# Altium PCB Farm_Pump.PcbDoc
Units mm, origin at the board's own origin, x right, y up, seen from the top; angles counter-clockwise.
Board outline 346.58 x 213.36 mm, 4 copper layers (Top Layer, Mid Layer 1, Mid Layer 2, Bottom Layer), stack 1.57 mm thick; 152 components, 91 nets, 556 pads, 0 vias.
Unrouted connection lines stored in the file: 325.
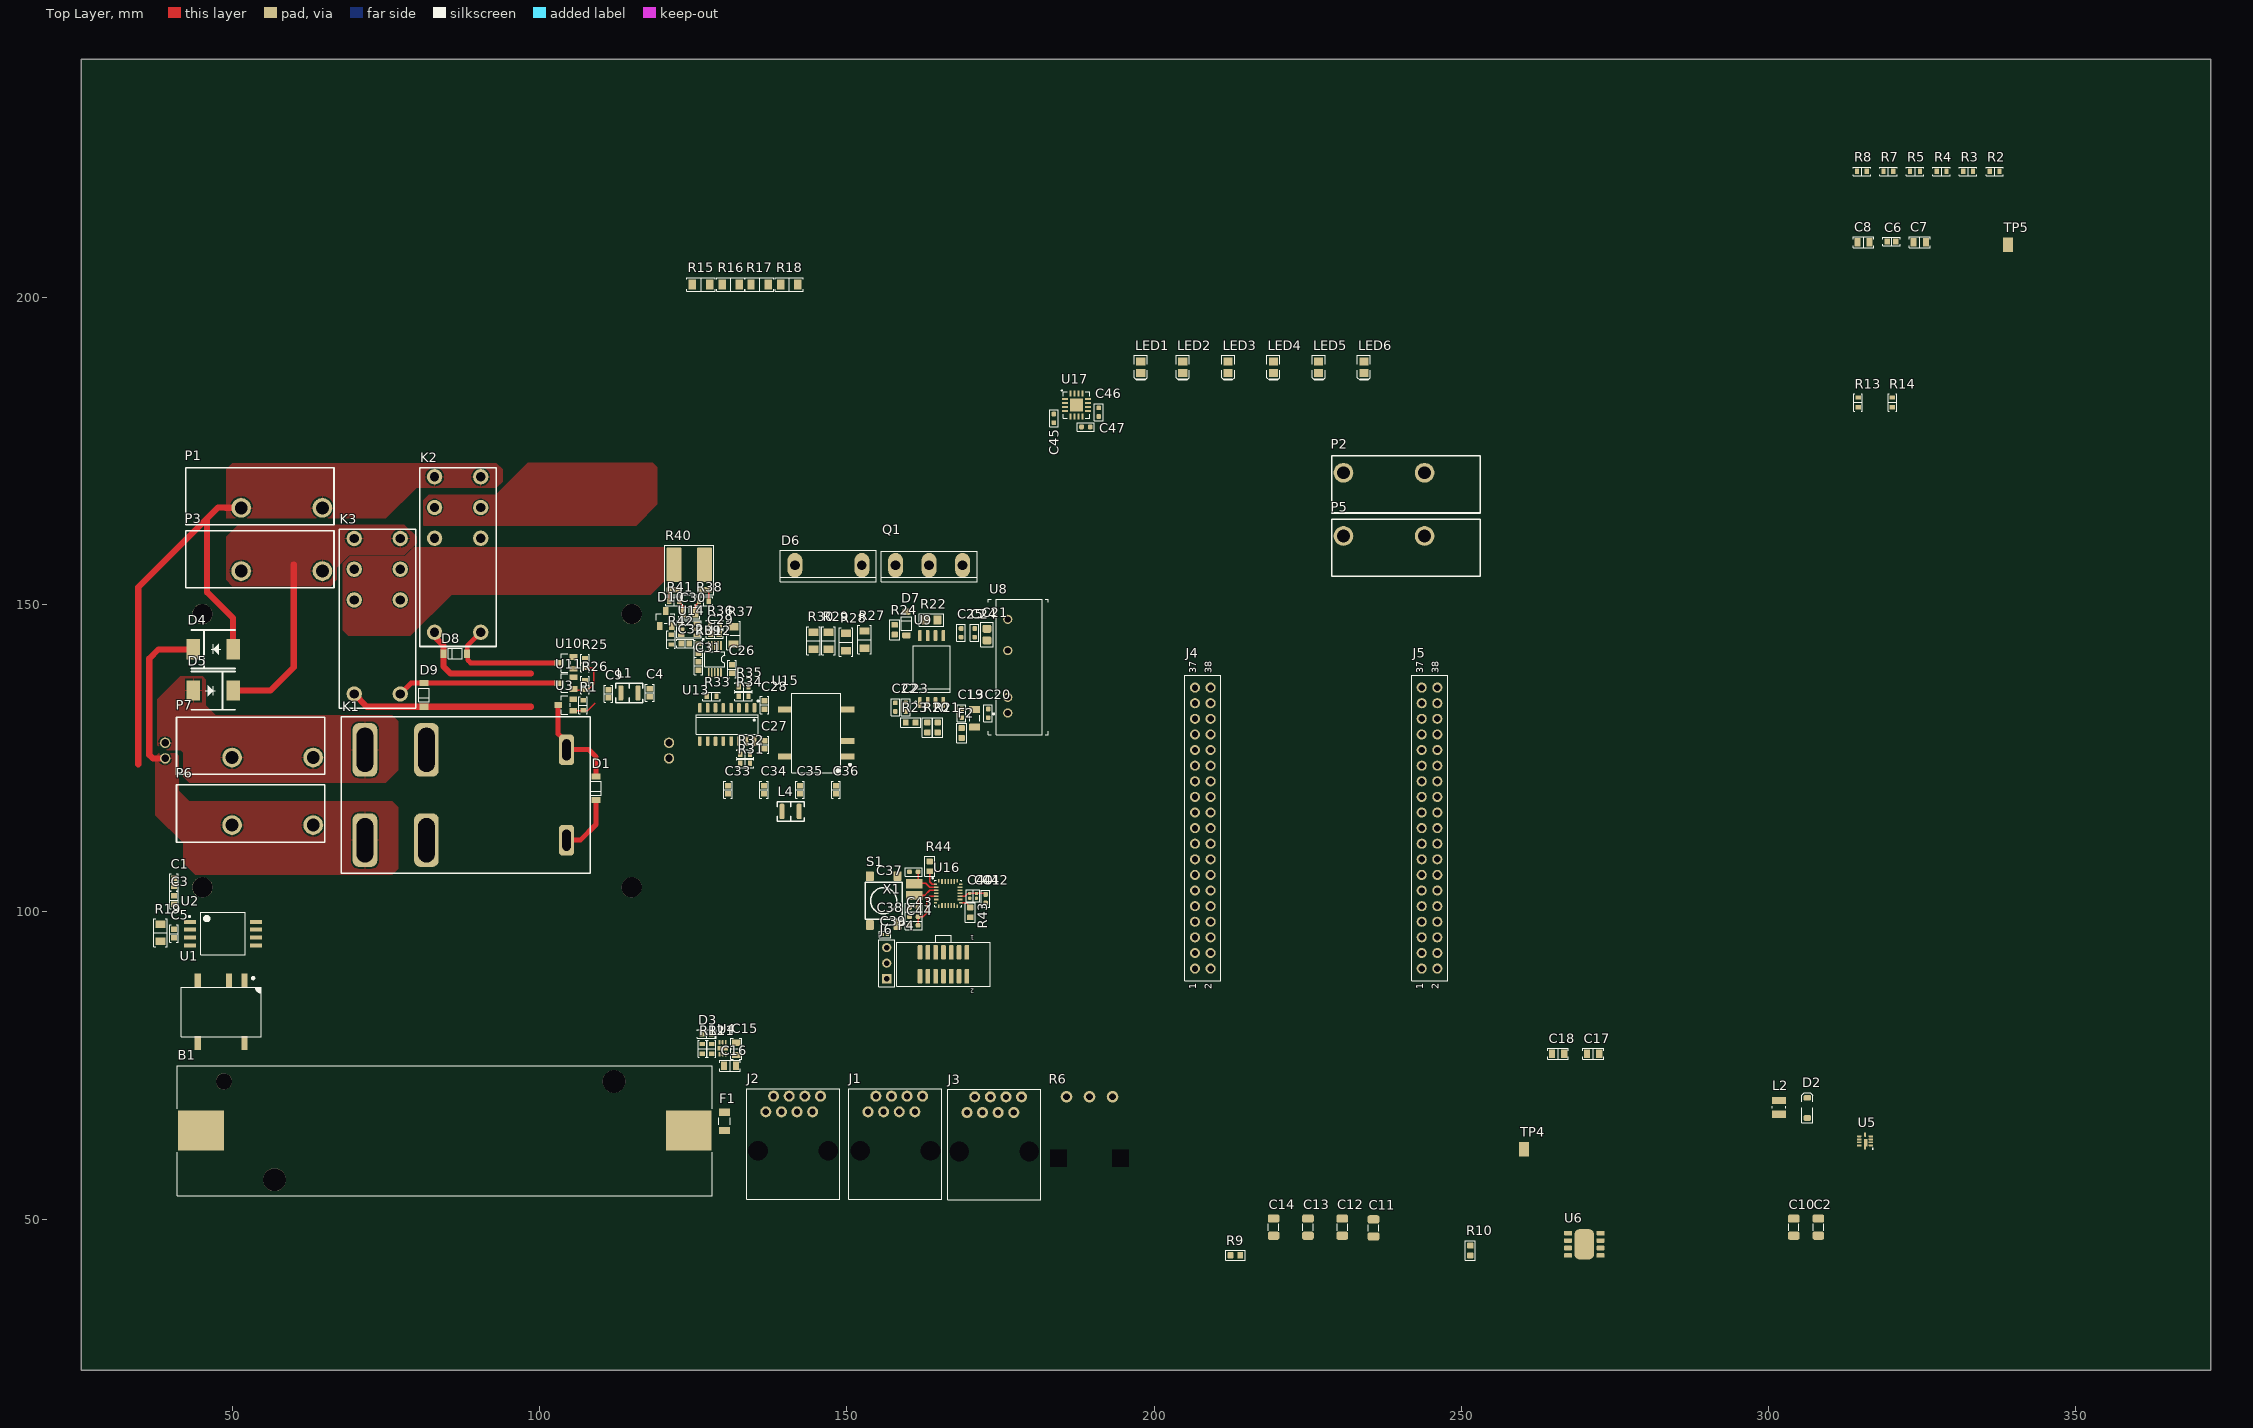
[diagram p0: Top Layer view]
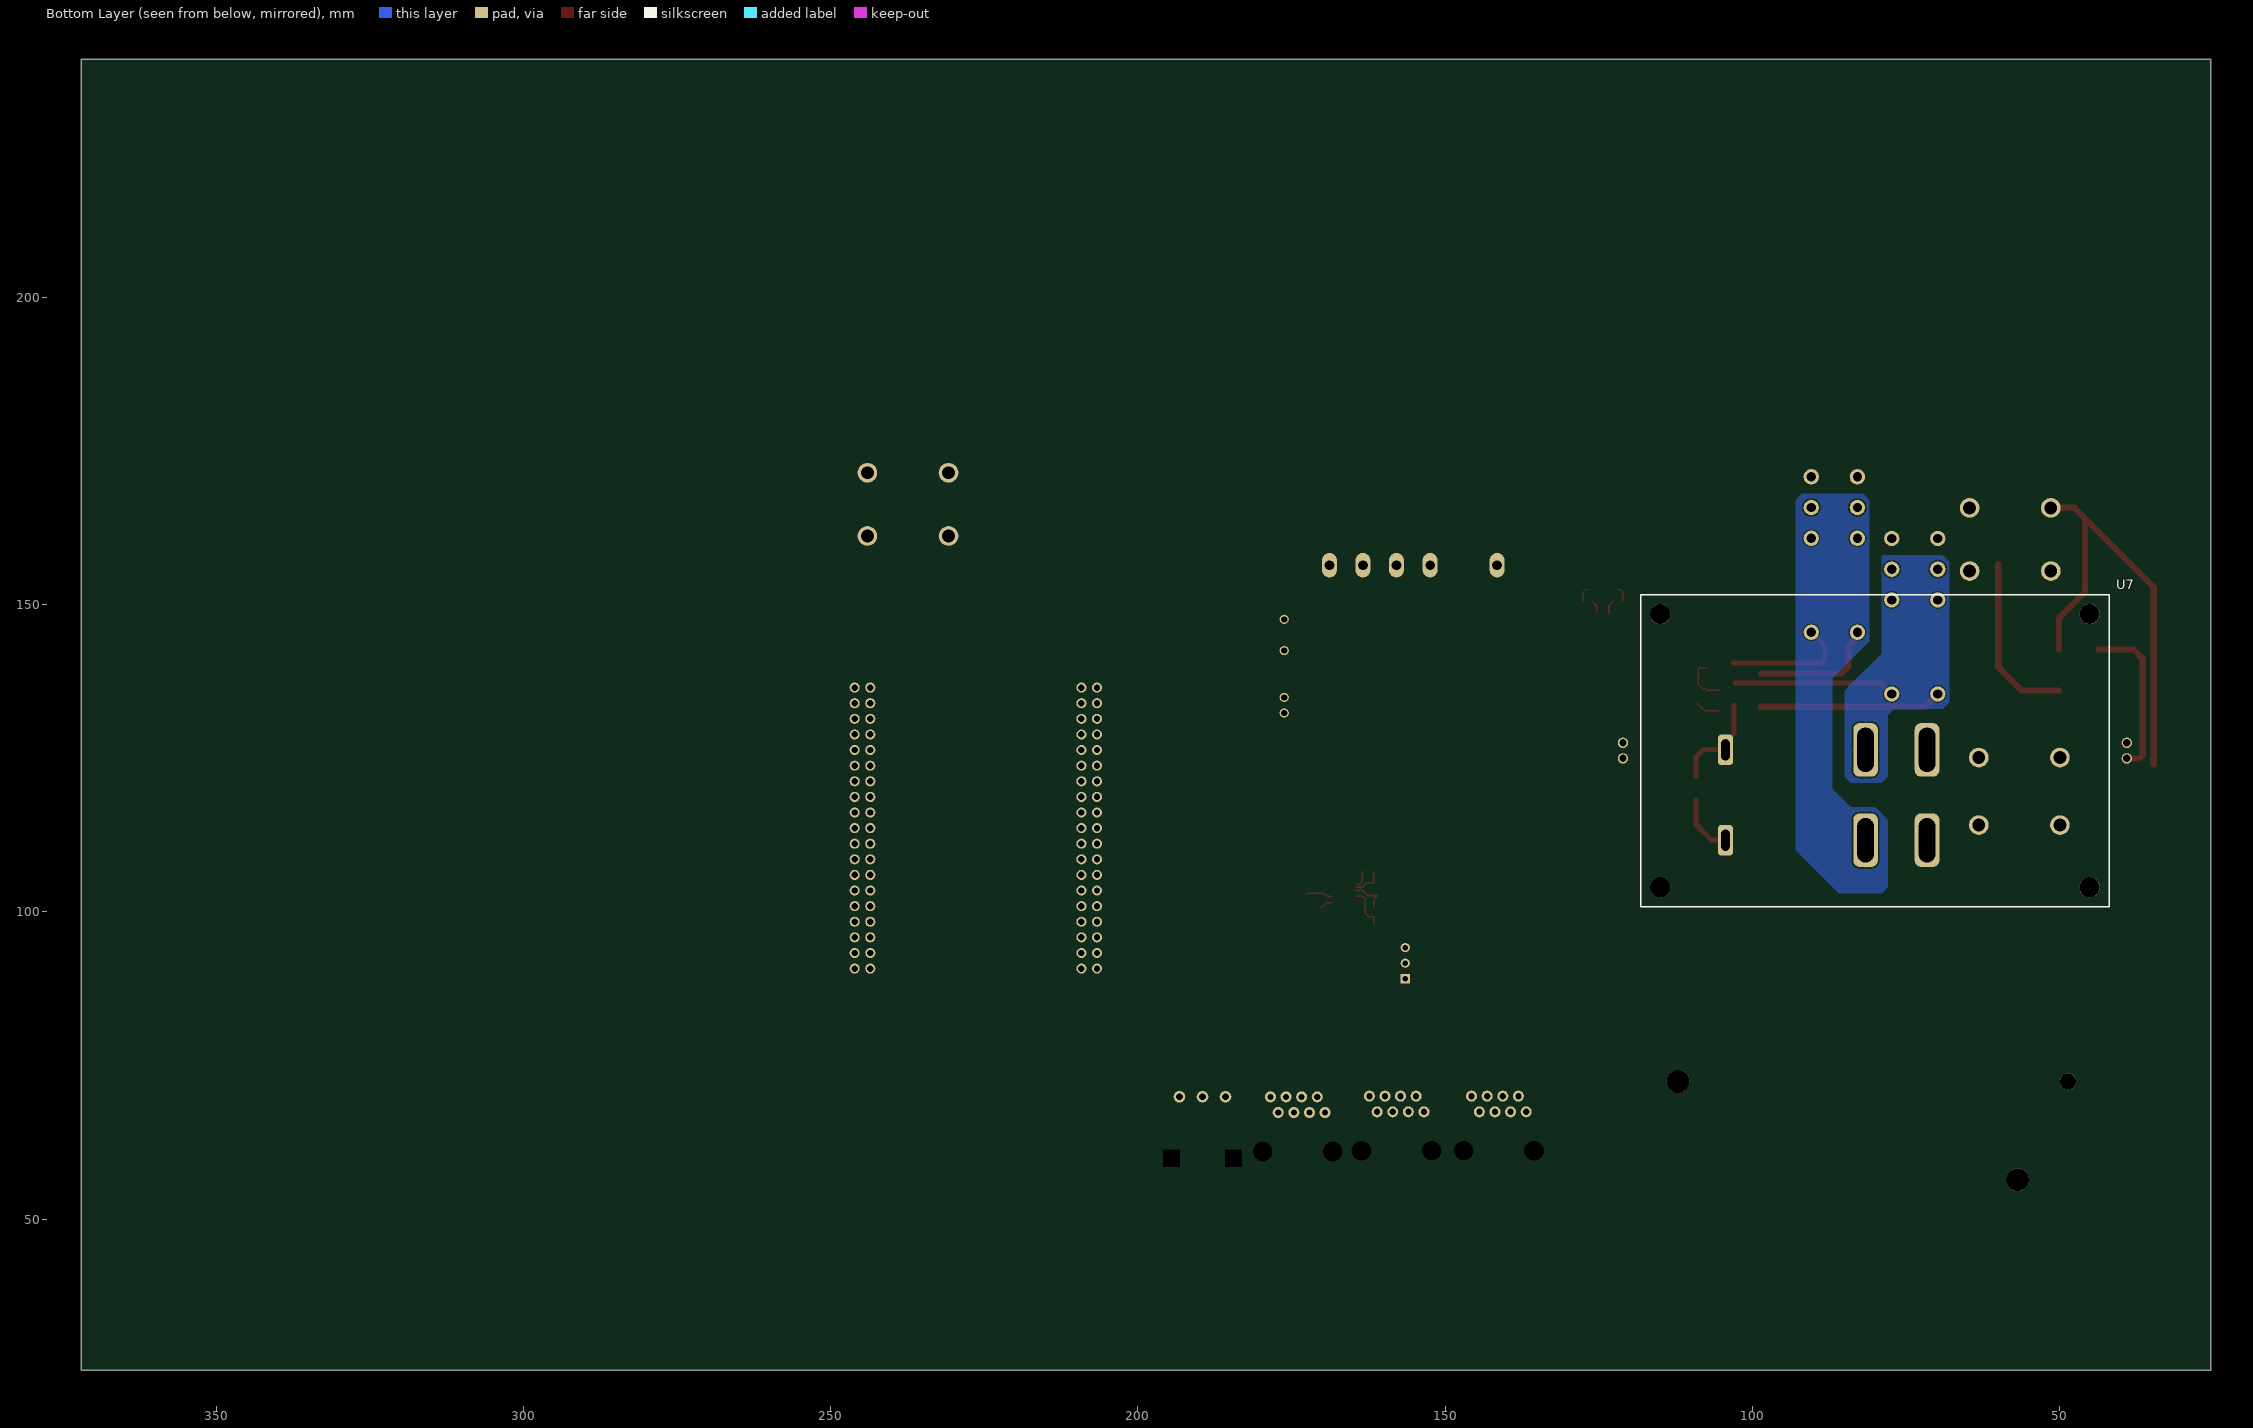
[diagram p1: Bottom Layer view, seen from below]
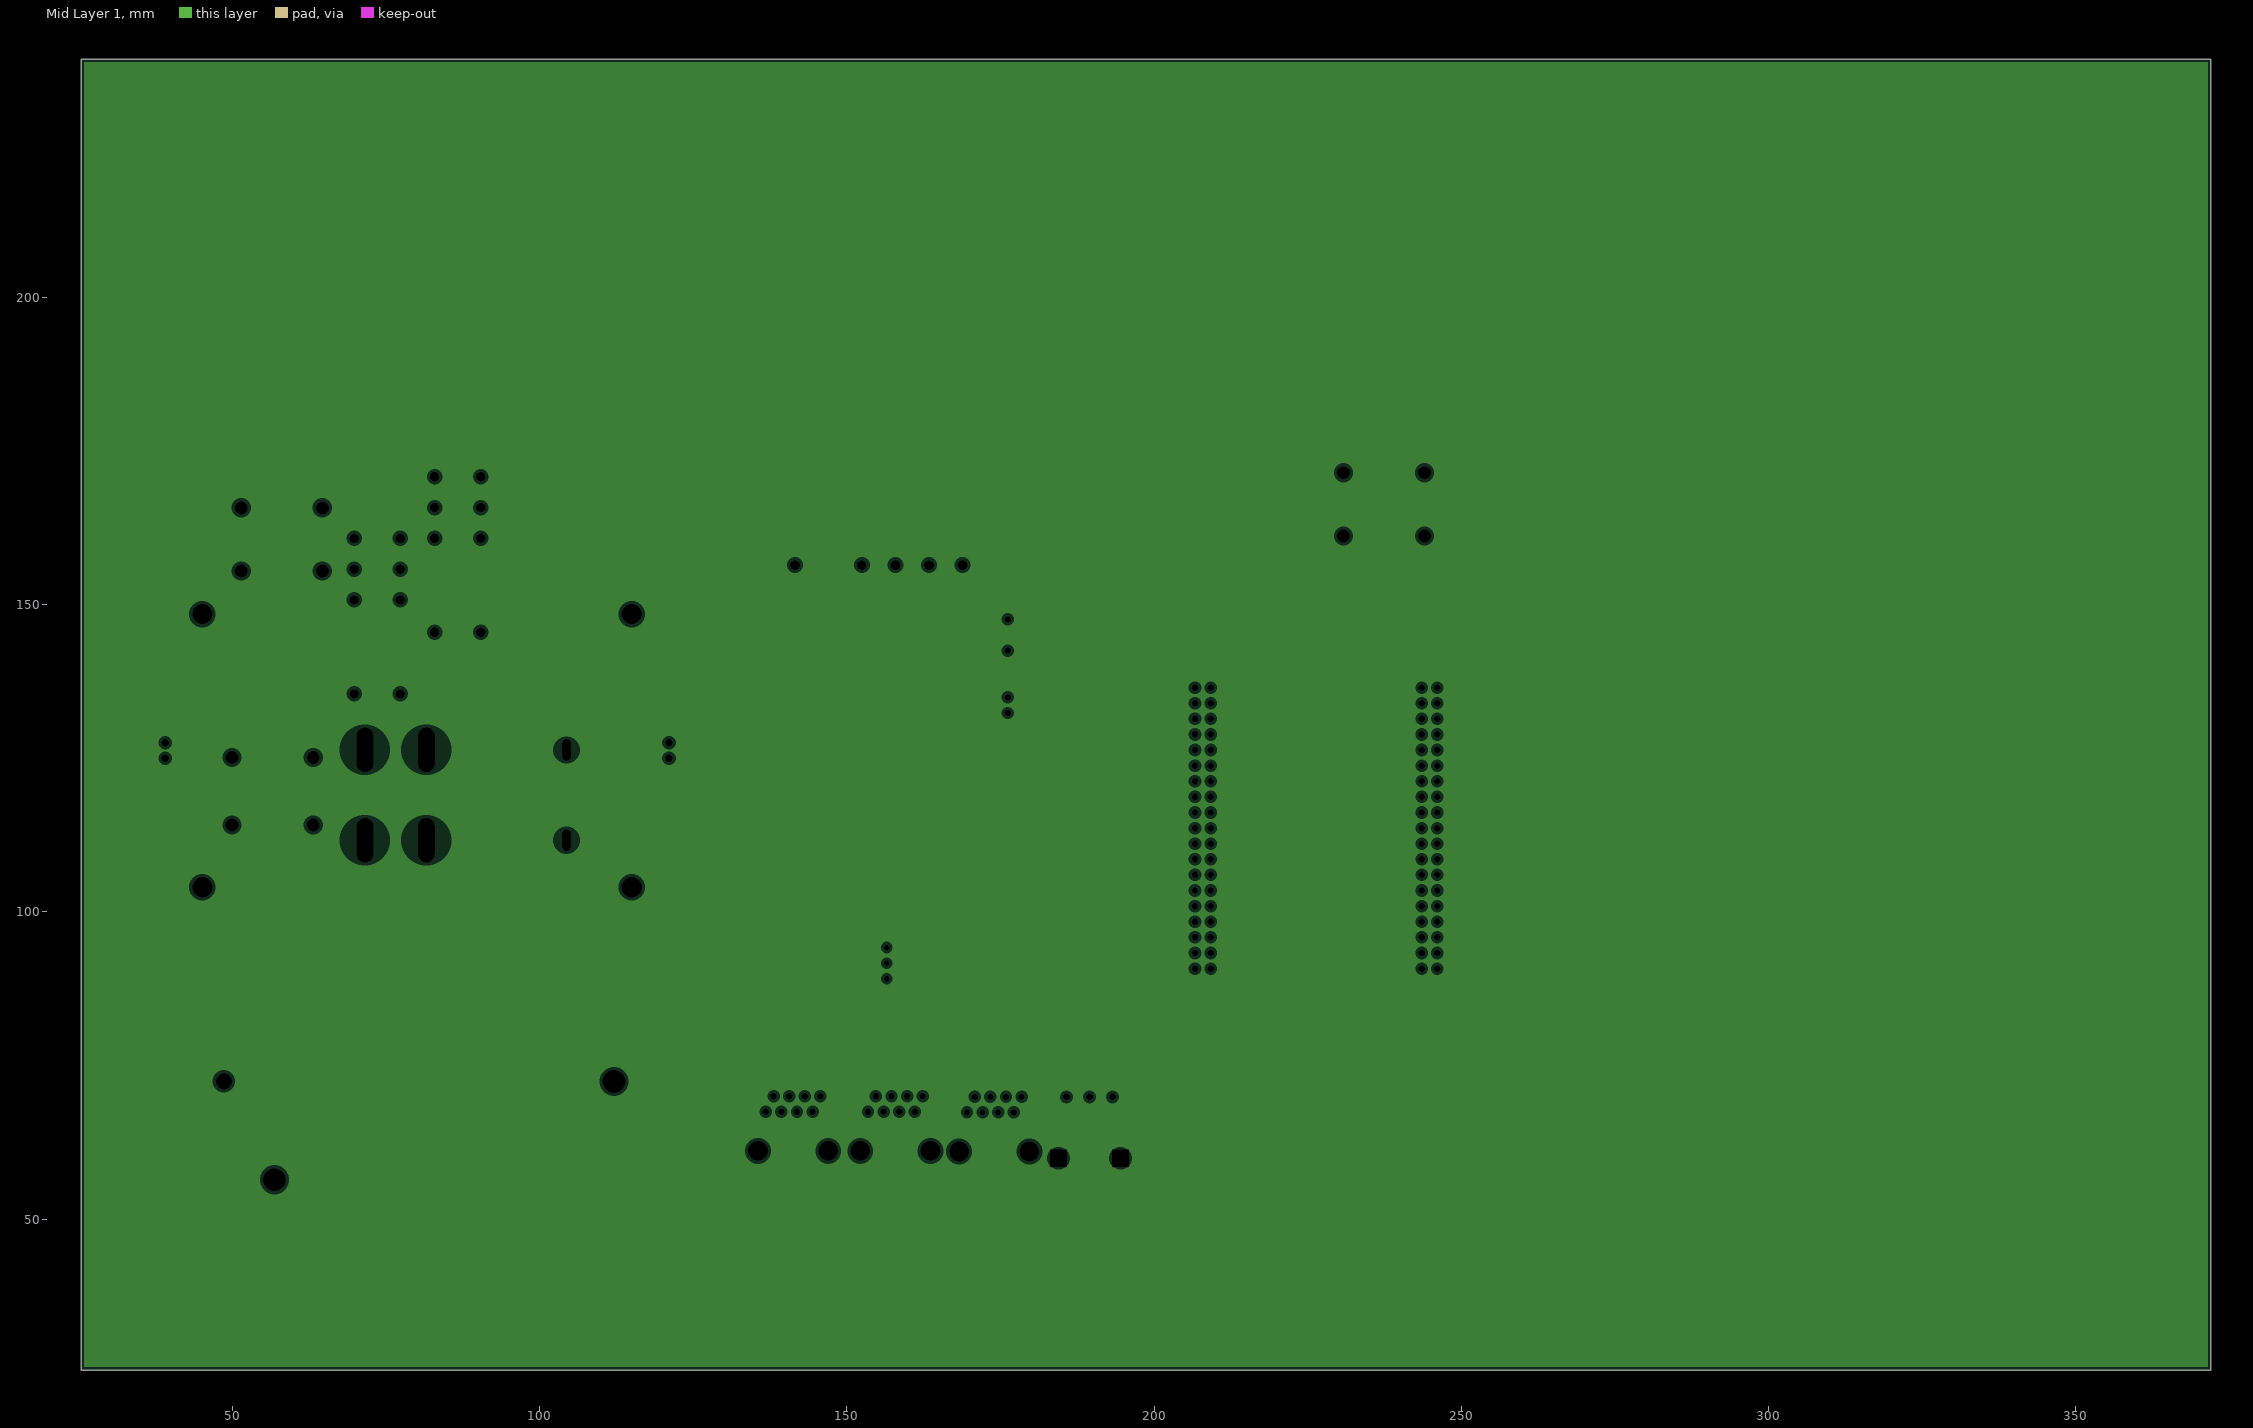
[diagram p2: Mid Layer 1, clearances drawn from the general rule]
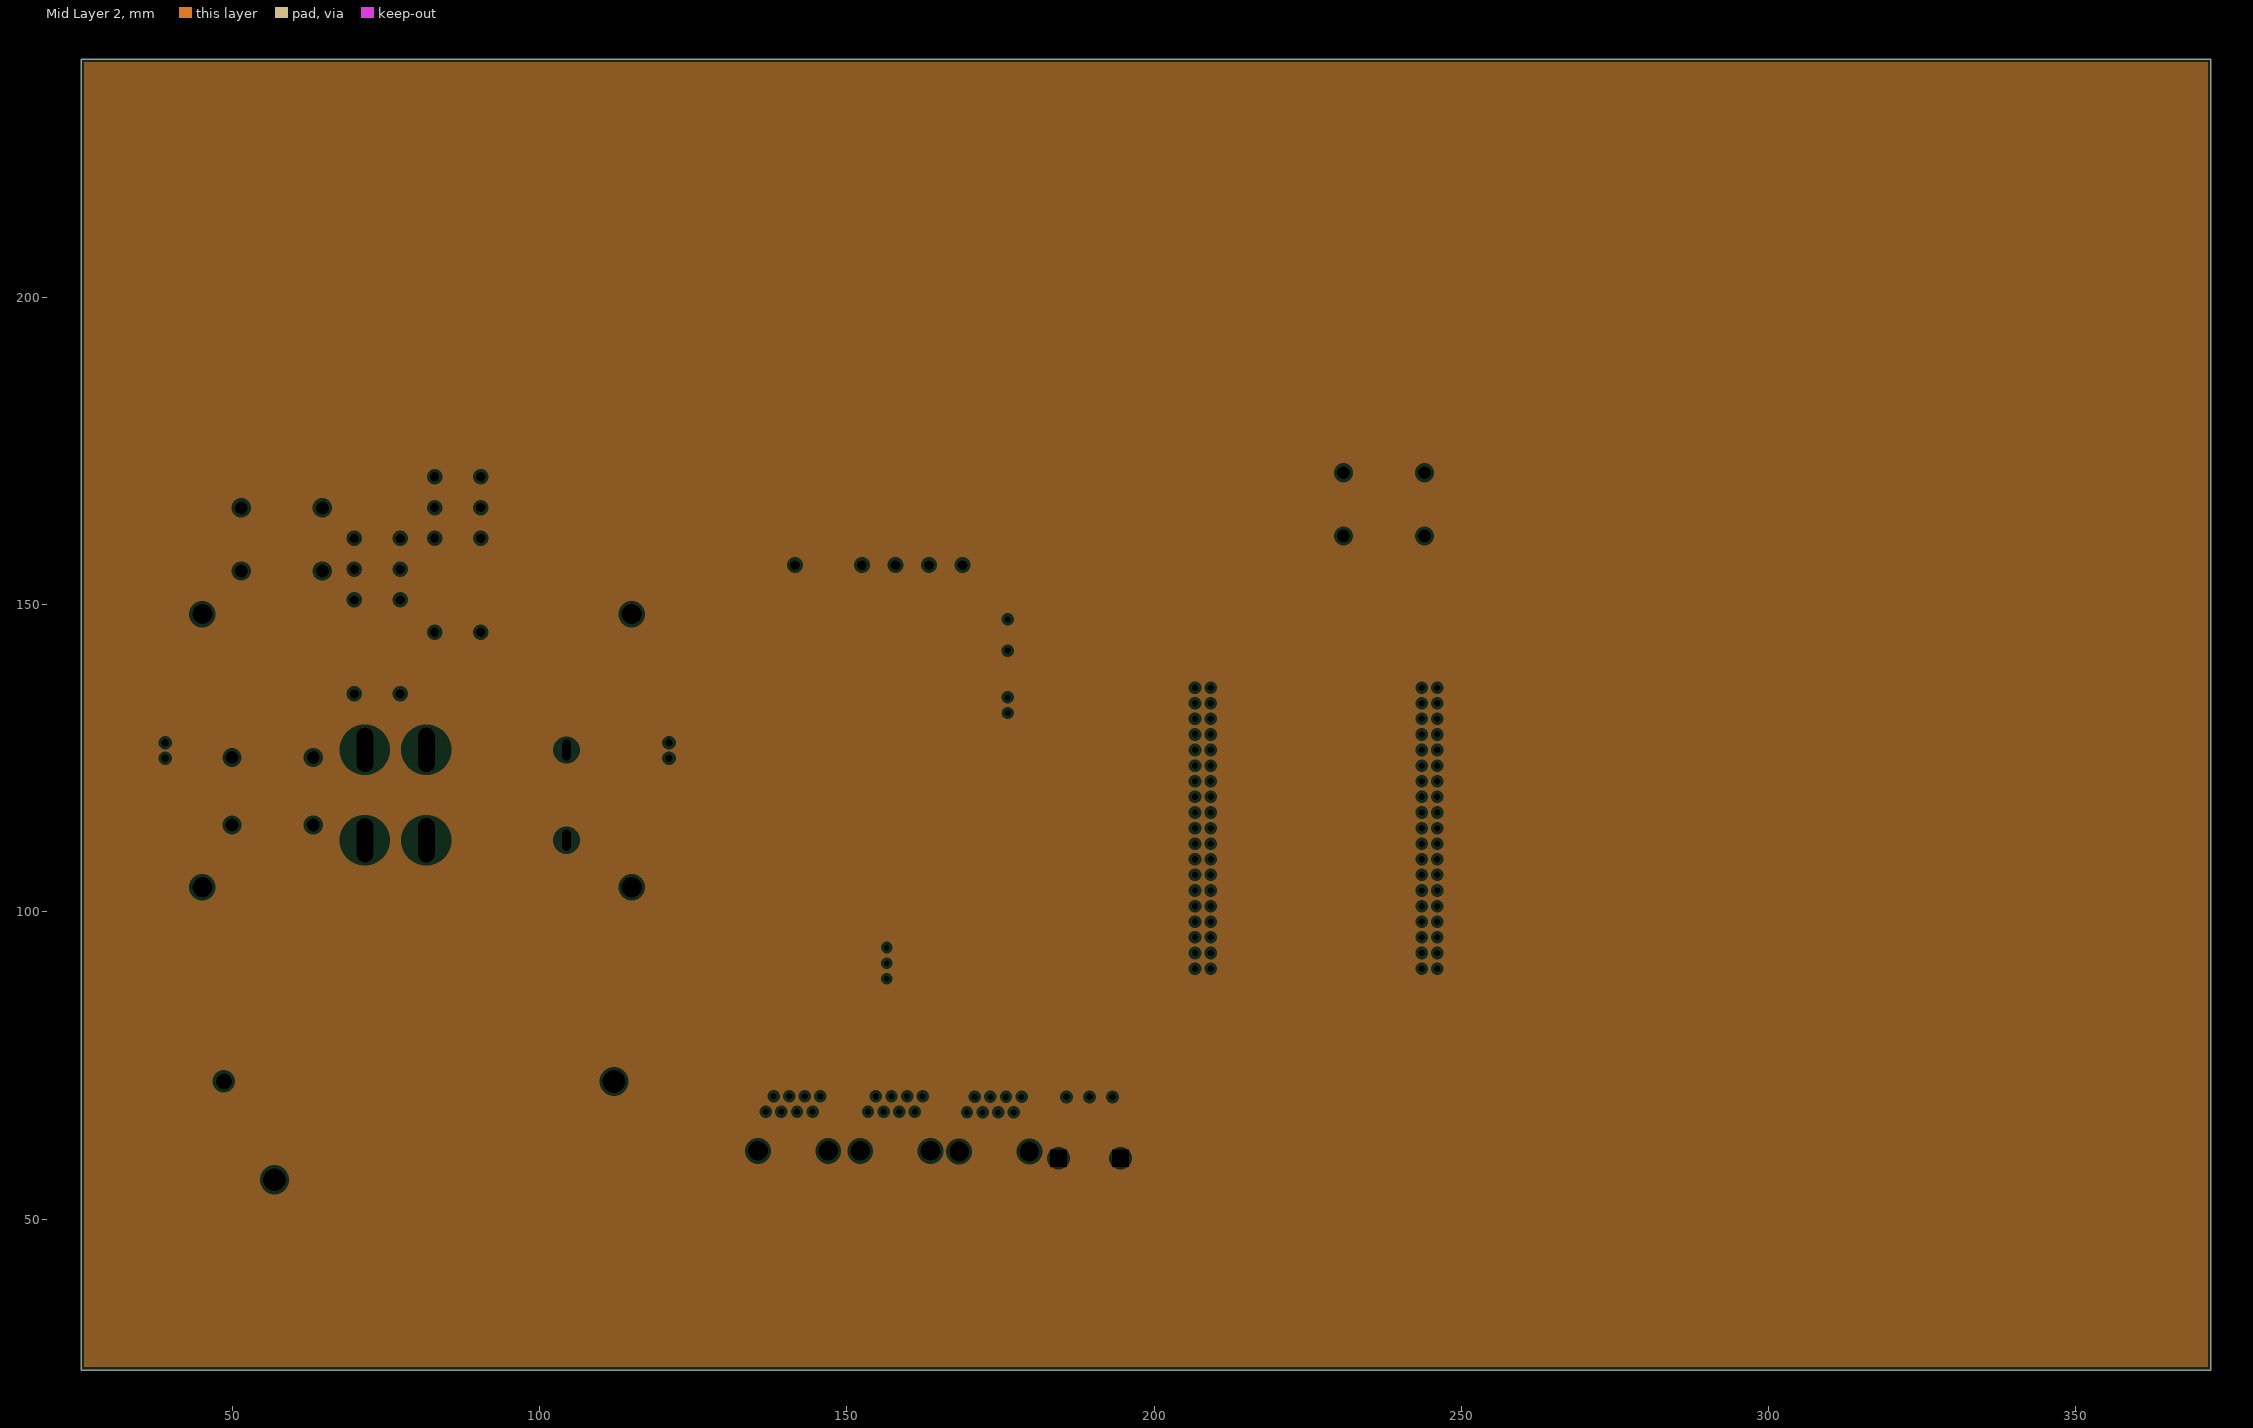
[diagram p3: Mid Layer 2, clearances drawn from the general rule]

## Layer stack, top to bottom
Top Solder: solder mask 0.0127, Solder Resist, Dk 3.8
Top Layer: signal copper 0.035
Dielectric 1: prepreg 0.1, 2313, Dk 4.05
Mid Layer 1: plane copper 0.0175
Core: core 1.265, FR-4, Dk 4.5
Mid Layer 2: plane copper 0.0175
Dielectric 2: prepreg 0.1, 2313, Dk 4.05
Bottom Layer: signal copper 0.035
Bottom Solder: solder mask 0.0127, Solder Resist, Dk 3.8

## Board outline
25.4,25.4 371.983,25.4 371.983,238.76 25.4,238.76

## Design rules (kind name [scope] priority, off if disabled: settings)
Clearance [All] p1: gap=0.152 ignorepadtopadclearanceinfootprint=FALSE except(0: Arc-Hole Track-Hole SMDPad-Hole THPad-Hole Via-Hole Fill-Hole Poly-Hole Region-Hole Text-Hole)
ComponentClearance [All] p1 off: gap=0.254 collisioncheckmode=3 verticalgap=0.254 showdistances=FALSE
HoleSize [All] p1: absolutevalues=TRUE maxlimit=6.3 minlimit=0.3 maxpercent=80.000 minpercent=20.000
MinimumAnnularRing [All] p1: minimumring=0.152
MinimumSolderMaskSliver [All] p1: minsoldermaskwidth=0.152
PlaneClearance [All] p1: clearance=0.508
PlaneConnect [All] p1: planeconnectstyle=Relief reliefexpansion=0.508 reliefentries=4 reliefconductorwidth=0.254 reliefairgap=0.254
PolygonConnect [All] p1: connectstyle=Relief reliefconductorwidth=0.254 reliefentries=4 polygonreliefangle="90 Angle" airgapwidth=0.254
RoomDefinition U_Voltage_Current_Sense [InComponentClass('U_Voltage_Current_Sense')] p1: confinementstyle=ConfineIn formatcopy=TRUE lockcomponents=FALSE outline 0,0 50.8,0 50.8,25.4 0,25.4
RoomDefinition U_STM32F038G6U6 [InComponentClass('U_STM32F038G6U6')] p2: confinementstyle=ConfineIn formatcopy=TRUE lockcomponents=FALSE outline 0,0 50.8,0 50.8,25.4 0,25.4
RoomDefinition U_LoRa_Module [InComponentClass('U_LoRa_Module')] p3: confinementstyle=ConfineIn formatcopy=TRUE lockcomponents=FALSE outline 0,0 50.8,0 50.8,25.4 0,25.4
RoomDefinition U_LED [InComponentClass('U_LED')] p4: confinementstyle=ConfineIn formatcopy=TRUE lockcomponents=FALSE outline 0,0 50.8,0 50.8,25.4 0,25.4
RoomDefinition U_DCDC [InComponentClass('U_DCDC')] p5: confinementstyle=ConfineIn formatcopy=TRUE lockcomponents=FALSE outline 0,0 50.8,0 50.8,25.4 0,25.4
RoomDefinition U_Analog [InComponentClass('U_Analog')] p6: confinementstyle=ConfineIn formatcopy=TRUE lockcomponents=FALSE outline 0,0 50.8,0 50.8,25.4 0,25.4
RoomDefinition U_AC_Relay [InComponentClass('U_AC_Relay')] p7: confinementstyle=ConfineIn formatcopy=TRUE lockcomponents=FALSE outline 0,0 50.8,0 50.8,25.4 0,25.4
RoomDefinition "PV Voltage Sense" [InComponentClass('PV Voltage Sense')] p8: confinementstyle=ConfineIn formatcopy=TRUE lockcomponents=FALSE outline 0,0 50.8,0 50.8,25.4 0,25.4
RoomDefinition PV_Relay [InComponentClass('PV_Relay')] p9: confinementstyle=ConfineIn formatcopy=TRUE lockcomponents=FALSE outline 0,0 50.8,0 50.8,25.4 0,25.4
RoomDefinition Gate_Driver [InComponentClass('Gate_Driver')] p10: confinementstyle=ConfineIn formatcopy=TRUE lockcomponents=FALSE outline 0,0 50.8,0 50.8,25.4 0,25.4
RoomDefinition Farm_Pump [InComponentClass('Farm_Pump')] p11: confinementstyle=ConfineIn formatcopy=TRUE lockcomponents=FALSE outline 0,0 50.8,0 50.8,25.4 0,25.4
RoomDefinition Batt_Charge [InComponentClass('Batt_Charge')] p12: confinementstyle=ConfineIn formatcopy=TRUE lockcomponents=FALSE outline 0,0 50.8,0 50.8,25.4 0,25.4
RoutingVias [All] p1: holewidth=0.4 width=0.8 viastyle="Through Hole" minholewidth=0.3 minwidth=0 maxholewidth=1 maxwidth=1.2
SolderMaskExpansion [All] p1: expansion=0.102 istentingtop=FALSE
Width [All] p1: maxlimit=1.27 minlimit=0.254 preferedwidth=0.254 minimp=50.000000 maximp=50.000000 favimp=50.000000
25 further rules are at their usual default settings.

## Classes and differential pairs
component class U_Voltage_Current_Sense: C26 C27 C28 C29 C30 C31 C32 C33 C34 C35 C36 D10 L4 R27 R28 R29 R30 R31 R32 R33 R34 R35 R36 R37 R38 R39 R40 R41 R42 U12 U13 U14 U15
component class U_STM32F038G6U6: C37 C38 C39 C40 C41 C42 C43 C44 J6 P4 R43 R44 S1 U16 X1
component class U_LoRa_Module: J4 J5
component class U_LED: C45 C46 C47 LED1 LED2 LED3 LED4 LED5 LED6 U17
component class U_DCDC: D4 D5 U7
component class U_Analog: J1 J2 R2 R3 R4 R5 R6 R7 R8
component class U_AC_Relay: D1 K1 R1 U3
component class "PV Voltage Sense": C1 C3 C4 C5 C6 C7 C8 C9 L1 R15 R16 R17 R18 R19 TP4 TP5 U1 U2
component class PV_Relay: D8 D9 K2 K3 R25 R26 U10 U11
component class Gate_Driver: C19 C20 C21 C22 C23 C24 C25 D7 F2 L3 R20 R21 R22 R23 R24 U8 U9
component class Farm_Pump: D6 J3 P1 P2 P3 P5 P6 P7 Q1 R13 R14
component class Batt_Charge: B1 C2 C10 C11 C12 C13 C14 C15 C16 C17 C18 D2 D3 F1 L2 R9 R10 R11 R12 U4 U5 U6

## Components (designator, comment, footprint, x,y, rotation, side; value= is the part's Value field where it differs from the comment)
B1 "18650_Holder" 1042 84.6,64.4 r180 top
C1 "100n" "CAP 0603/1608" 40.496,104.794 r270 top
C2 "10µF" 1206C 308.1,48.687 r180 top
C3 "1u" "CAP 0603/1608" 40.496,101.913 r90 top
C4 "100n" "CAP 0603/1608" 117.932,135.653 r270 top
C5 "100p" "CAP 0603/1608" 40.496,96.452 r90 top
C6 "10n" "CAP 0603/1608" 320.02,209.049 r0 top
C7 "100n" "CAP 0805/2012 - 1.4MM" 324.592,208.922 r0 top
C8 "100n" "CAP 0805/2012 - 1.4MM" 315.448,208.922 r0 top
C9 "4.7u" "CAP 0603/1608" 111.201,135.486 r90 top
C10 "10µF" 1206C 304.1,48.687 r180 top
C11 "10µF" 1206C 235.712,48.56 r180 top
C12 "10µF" 1206C 230.632,48.687 r180 top
C13 "10µF" 1206C 225.044,48.687 r180 top
C14 "10µF" 1206C 219.456,48.687 r180 top
C15 "2.2u" "CAP 0805/2012 - 1.4MM" 132,77.7 r90 top
C16 "2.2u" "CAP 0805/2012 - 1.4MM" 131,74.925 r180 top
C17 "1u" "CAP 0805/2012 - 1.4MM" 271.455,76.897 r180 top
C18 "1u" "CAP 0805/2012 - 1.4MM" 265.74,76.897 r180 top
C19 "10µF" 0603C 168.7,132.3 r90 top
C20 "10µF" 0603C 173,132.3 r90 top
C21 "22uF" 0805c 172.8,145.1 r270 top
C22 "0.1uF" 0603C 157.9,133.3 r270 top
C23 "1µF" 0603C 159.6,133.3 r90 top
C24 "1µF" 0603C 170.8,145.4 r90 top
C25 "0.1uF" 0603C 168.6,145.4 r270 top
C26 "0.1u" "CAP 0603/1608" 131.331,139.504 r270 top
C27 "0.1u" "CAP 0603/1608" 136.639,127.185 r90 top
C28 "0.1u" "CAP 0603/1608" 136.639,133.662 r270 top
C29 "0.1u" "CAP 0603/1608" 128.537,145.219 r180 top
C30 "4.7u" "CAP 0805/2012 - 1.4MM" 124.346,148.621 r0 top
C31 "0.1u" "CAP 0603/1608" 125.87,140.012 r270 top
C32 "0.1u" "CAP 0603/1608" 123.711,143.668 r180 top
C33 "100n" "CAP 0603/1608" 130.694,119.855 r90 top
C34 "1u" "CAP 0603/1608" 136.536,119.855 r90 top
C35 "100n" "CAP 0603/1608" 142.378,119.855 r90 top
C36 "4.7u" "CAP 0603/1608" 148.22,119.855 r90 top
C37 "4.3pF" 0603C 160.9,106.5 r180 top
C38 "4.3pF" 0603C 160.9,100.7 r180 top
C39 ".1u" 0402c 156.2,96.3 r180 top
C40 ".1u" 0402c 170,102.6 r270 top
C41 ".1u" 0402c 171.1,102.6 r270 top
C42 "4.7µF" 0603C 172.6,102.125 r270 top
C43 "10nF" 0603C 160.9,99.2 r180 top
C44 "1µF" 0603C 160.9,97.8 r180 top
C45 "1uF" 0603C 183.7,180.3 r90 top
C46 "1uF" 0603C 191,181.3 r90 top
C47 "1uF" 0603C 188.9,178.9 r0 top
D1 "SMF16A" SOD-123H#1 109.2,120.1 r90 top
D2 "PMEG3020ER,115" SOD123 306.3,68.087 r270 top
D3 "Red" "LED 0603/1608 RED" 127.2,80.1 r0 top
D4 "S3G-13-F" "SMC DO-214AB" 46.9,142.7 r180 top
D5 "S3G-13-F" "SMC DO-214AB" 46.9,136 r0 top
D6 "VS-90EPS12L-M3" VS-90EPS12L-M3 147,156.4 r180 top
D7 "SMF16A" SOD-123H#2 159.7,146.9 r270 top
D8 "SMF16A" SOD-123H#1 86.3,142 r0 top
D9 "SMF16A" SOD-123H#1 81.2,135.3 r90 top
D10 "ZR285F02TA" ZR285F02TA 120.536,147.732 r0 top
F1 "TR/3216TD10-R" 1206 130.1,65.9 r90 top
F2 "ERB-RE0R50V" 0603R 168.7,129.1 r90 top
J1 "MTJ-885X1" MTJ-885X1 157.905,61.105 r0 top
J2 "MTJ-885X1" MTJ-885X1 141.268,61.105 r0 top
J3 "MTJ-885X1" MTJ-885X1 174,61 r0 top
J4 "SSW-119-01-F-D" SSW-119-01-F-D 207.93,113.62 r90 top
J5 "SSW-119-01-F-D" SSW-119-01-F-D 244.83,113.62 r90 top
J6 "HDR3POS" "HDR 1x3 2.54MM" 156.5,91.64 r90 top
K1 "AZSR250-2AE-12D" AZSR250 88,119 r180 top
K2 "2961309" 2961309 86.681,157.372 r90 top
K3 "2961309" 2961309 73.593,147.339 r90 top
L1 "6.8uH" 1210L 114.63,135.613 r0 top
L2 "10 µH" INDC2520X100N 301.7,68.187 r270 top
L3 "6.8uH" 1206R 170.8,131.5 r0 top
L4 "6.8uH" 1210L 140.857,116.337 r0 top
LED1 "LED-G" 0805D 197.828,188.596 r90 top
LED2 "LED-G" 0805D 204.686,188.596 r90 top
LED3 "LED-G" 0805D 212.052,188.596 r90 top
LED4 "LED-G" 0805D 219.418,188.596 r90 top
LED5 "LED-R" 0805D 226.784,188.596 r90 top
LED6 "LED-R" 0805D 234.15,188.596 r90 top
P1 "1719189" 1719189 54.483,167.64 r270 top
P2 "1719189" 1719189 241,169.54 r90 top
P3 "1719189" 1719189 54.483,157.353 r270 top
P4 "HDR14POS" Header_14pin_JTAG 165.73,91.45 r180 top
P5 "1719189" 1719189 241,159.253 r90 top
P6 "1719189" 1719189 53,116 r270 top
P7 "1719189" 1719189 53,127 r270 top
Q1 "FGY75T120SQDN" FGY75T120SQDN 163.4,156.4 r180 top
R1 "10K" "RES 0603/1608" 107.1,133.6 r270 top
R2 "3K9" "RES 0603/1608" 336.784,220.479 r0 top
R3 "7K5" "RES 0603/1608" 332.466,220.479 r0 top
R4 "3K9" "RES 0603/1608" 328.148,220.479 r0 top
R5 "7K5" "RES 0603/1608" 323.83,220.479 r0 top
R6 "PDB12-H4301-103BF" PDB12-H4301-103BF 189.5,64.9 r180 top
R7 "1K" "RES 0603/1608" 319.512,220.479 r0 top
R8 "3K9" "RES 0603/1608" 315.194,220.479 r0 top
R9 "63.4 kOhms" 0603R 213.233,44.115 r180 top
R10 "SMT" 0603R 251.46,44.877 r270 top
R11 "2K05" "RES 0603/1608" 128,77.7 r90 top
R12 "1K" "RES 0603/1608" 126.5,77.7 r270 top
R13 "10K" "RES 0603/1608" 314.559,182.887 r90 top
R14 "10K" "RES 0603/1608" 320.147,182.887 r90 top
R15 "200K" "RES 1206/3216" 126.285,202.103 r0 top
R16 "200K" "RES 1206/3216" 131.111,202.103 r0 top
R17 "200K" "RES 1206/3216" 135.81,202.103 r0 top
R18 "200K" "RES 1206/3216" 140.636,202.103 r0 top
R19 "2K74" "RES 1206/3216" 38.337,96.579 r90 top
R20 "100 Ohms" 0603R 163.1,130 r90 top